# Altium PCB PCB_ovladaci_karta.PcbDoc (part 1 of 4)
Units mm, origin at the board's own origin, x right, y up, seen from the top; angles counter-clockwise.
Board outline 99.2 x 100 mm, 6 copper layers (Top Layer, Inner Layer 2(GND), Inner Layer 3, Inner Layer 4, Inner Layer 5, Bottom Layer 1), stack 1.548 mm thick; 236 components, 248 nets, 895 pads, 601 vias.
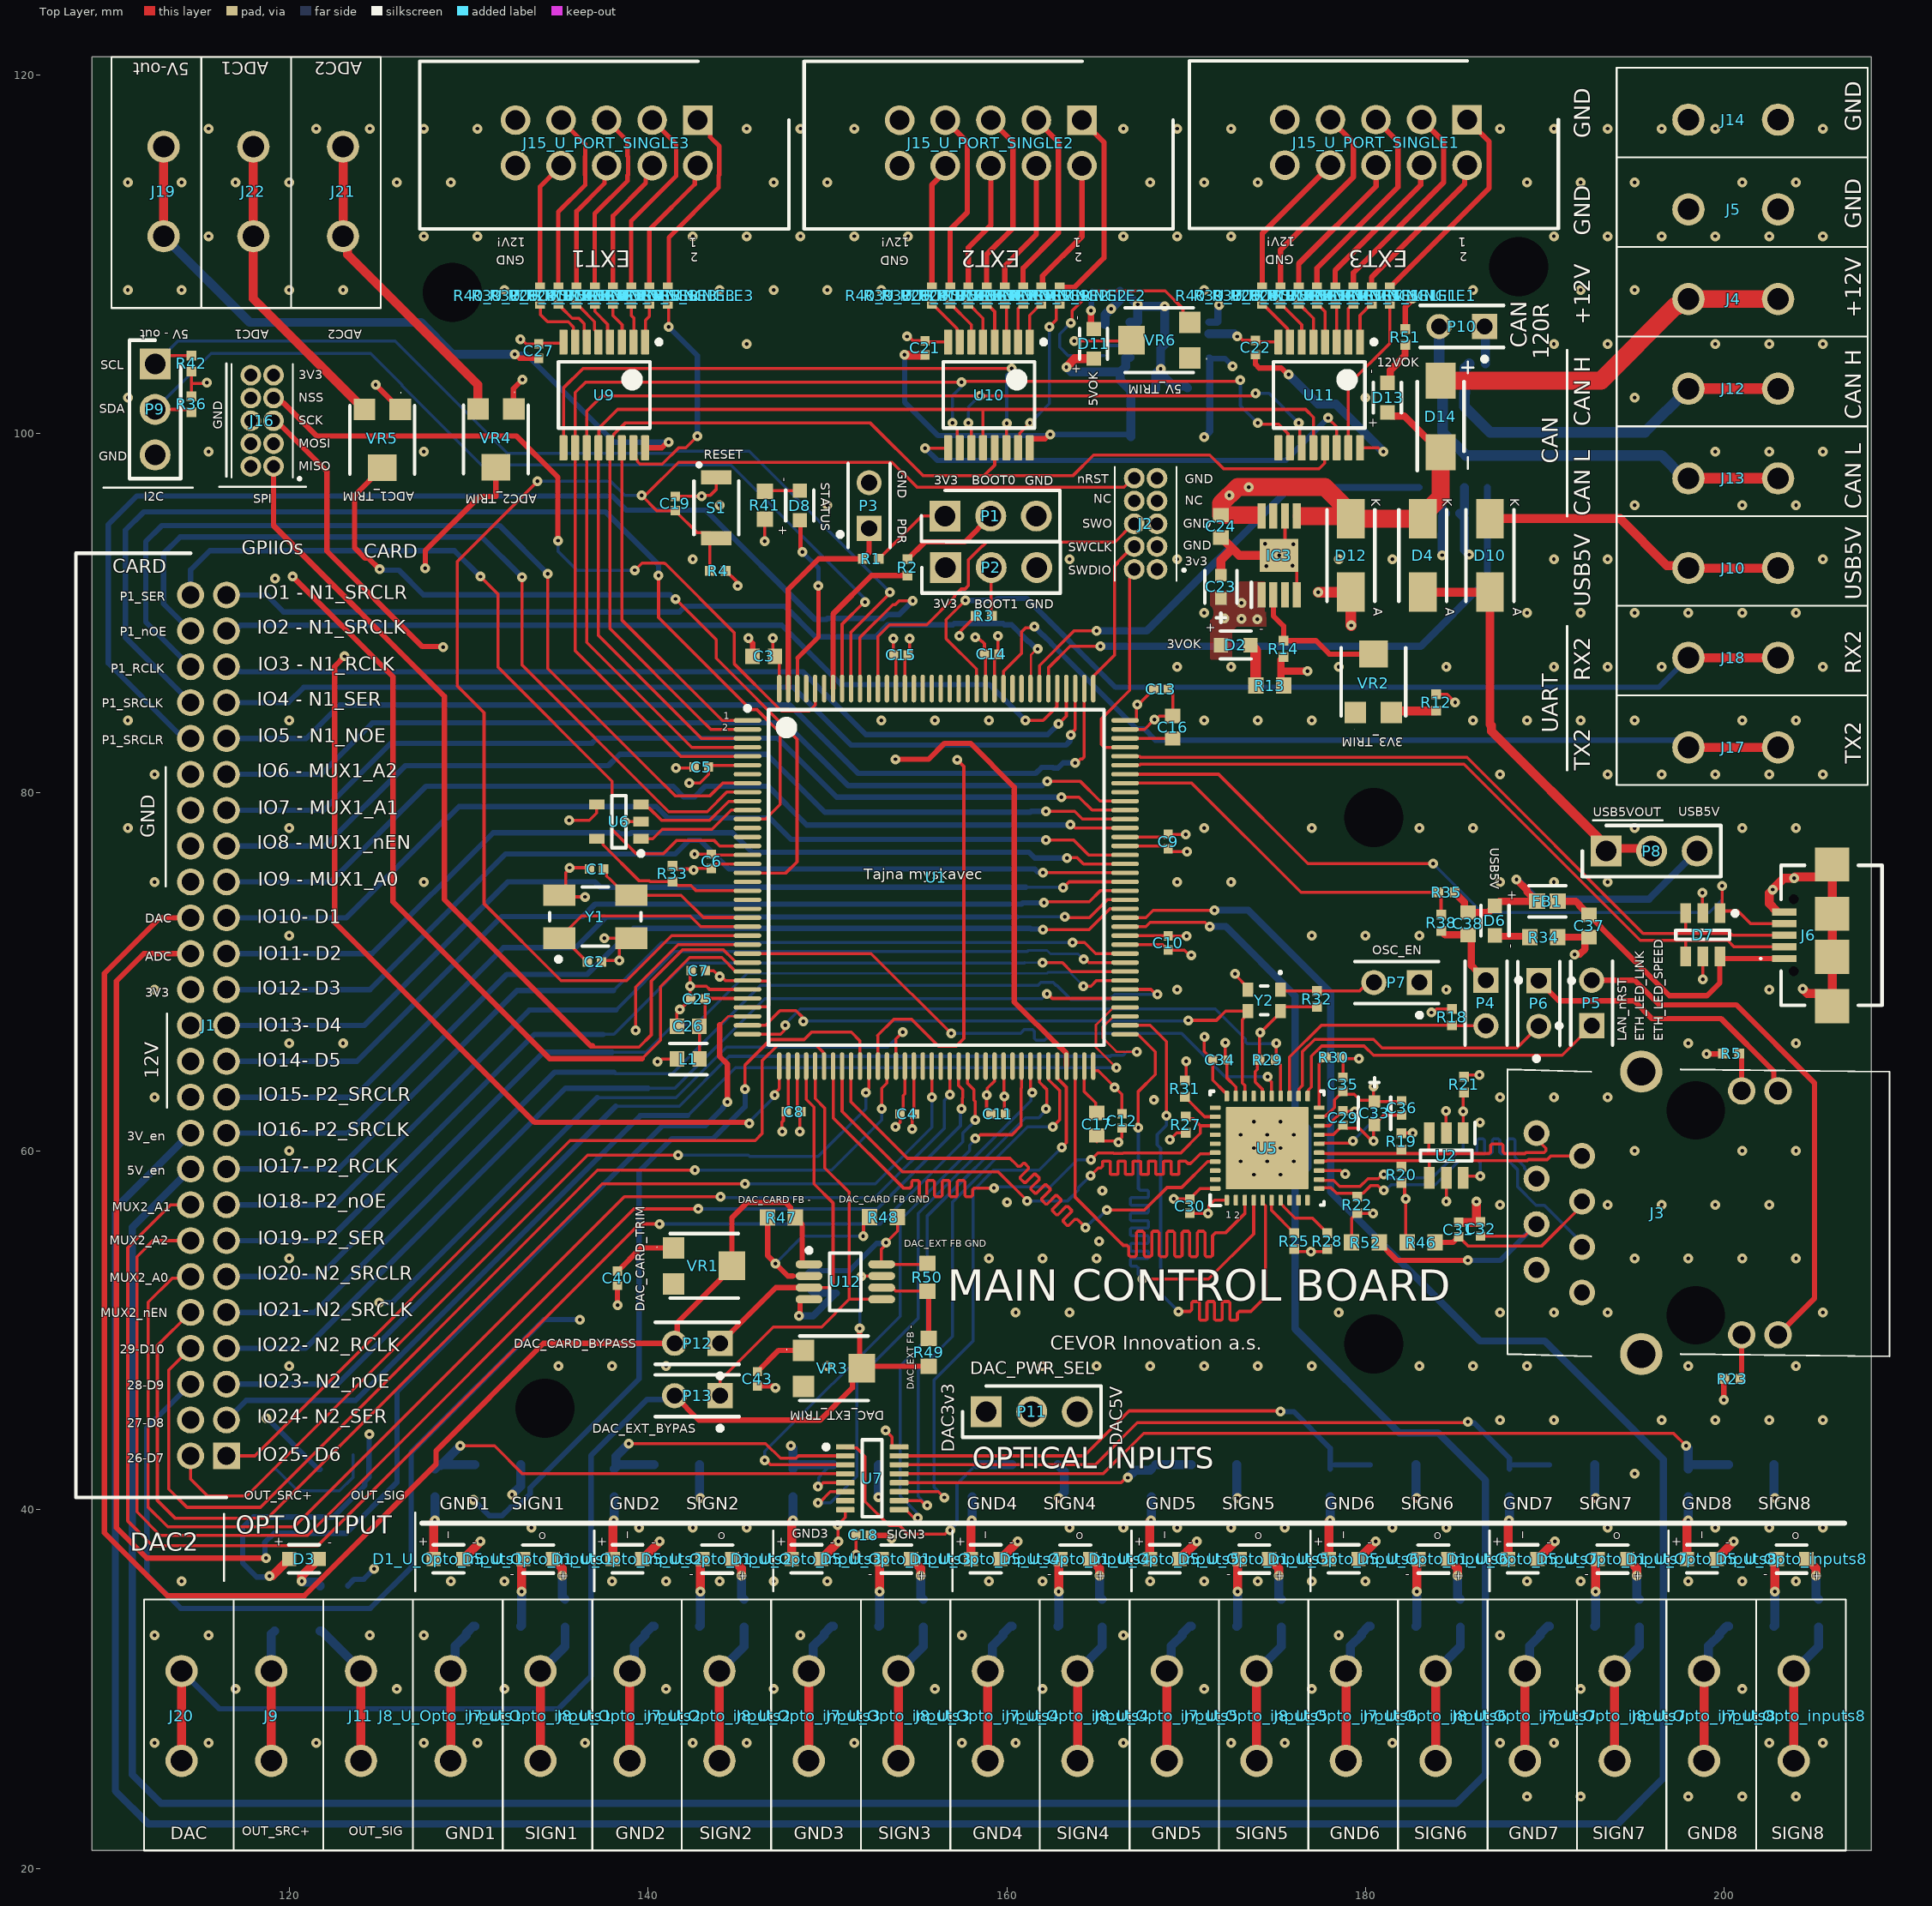
[diagram p0: Top Layer view]
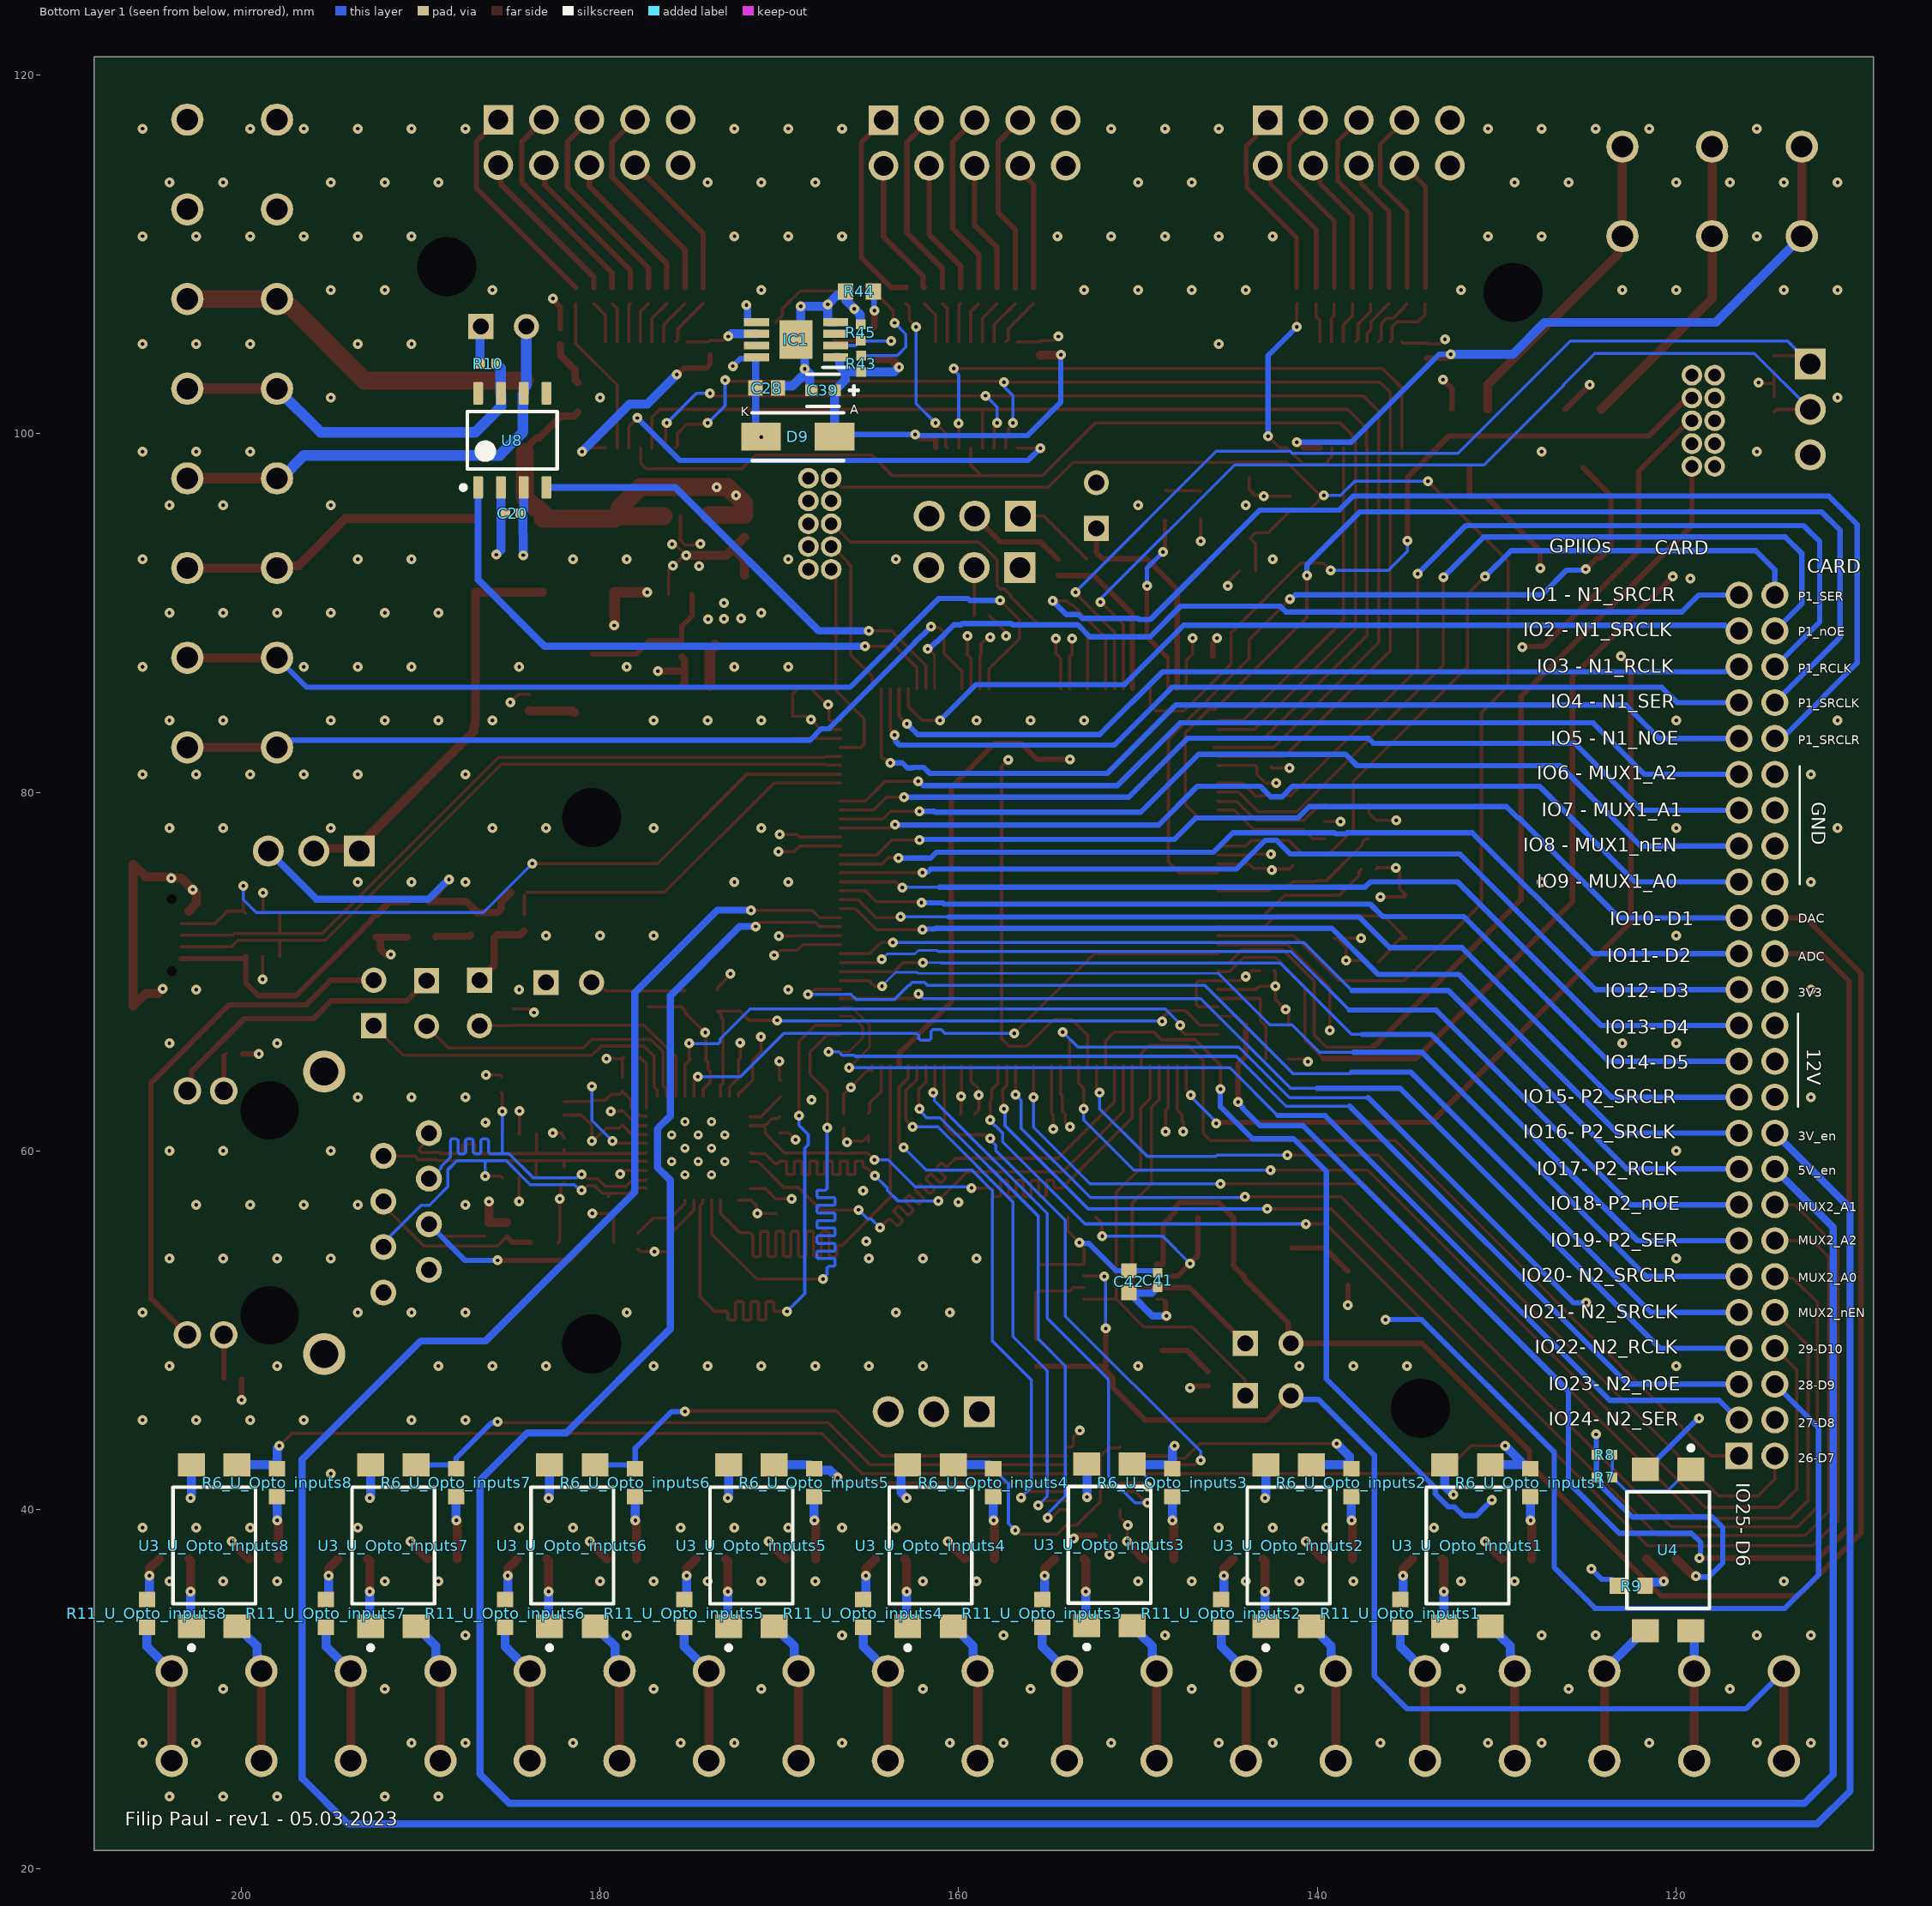
[diagram p1: Bottom Layer 1 view, seen from below]
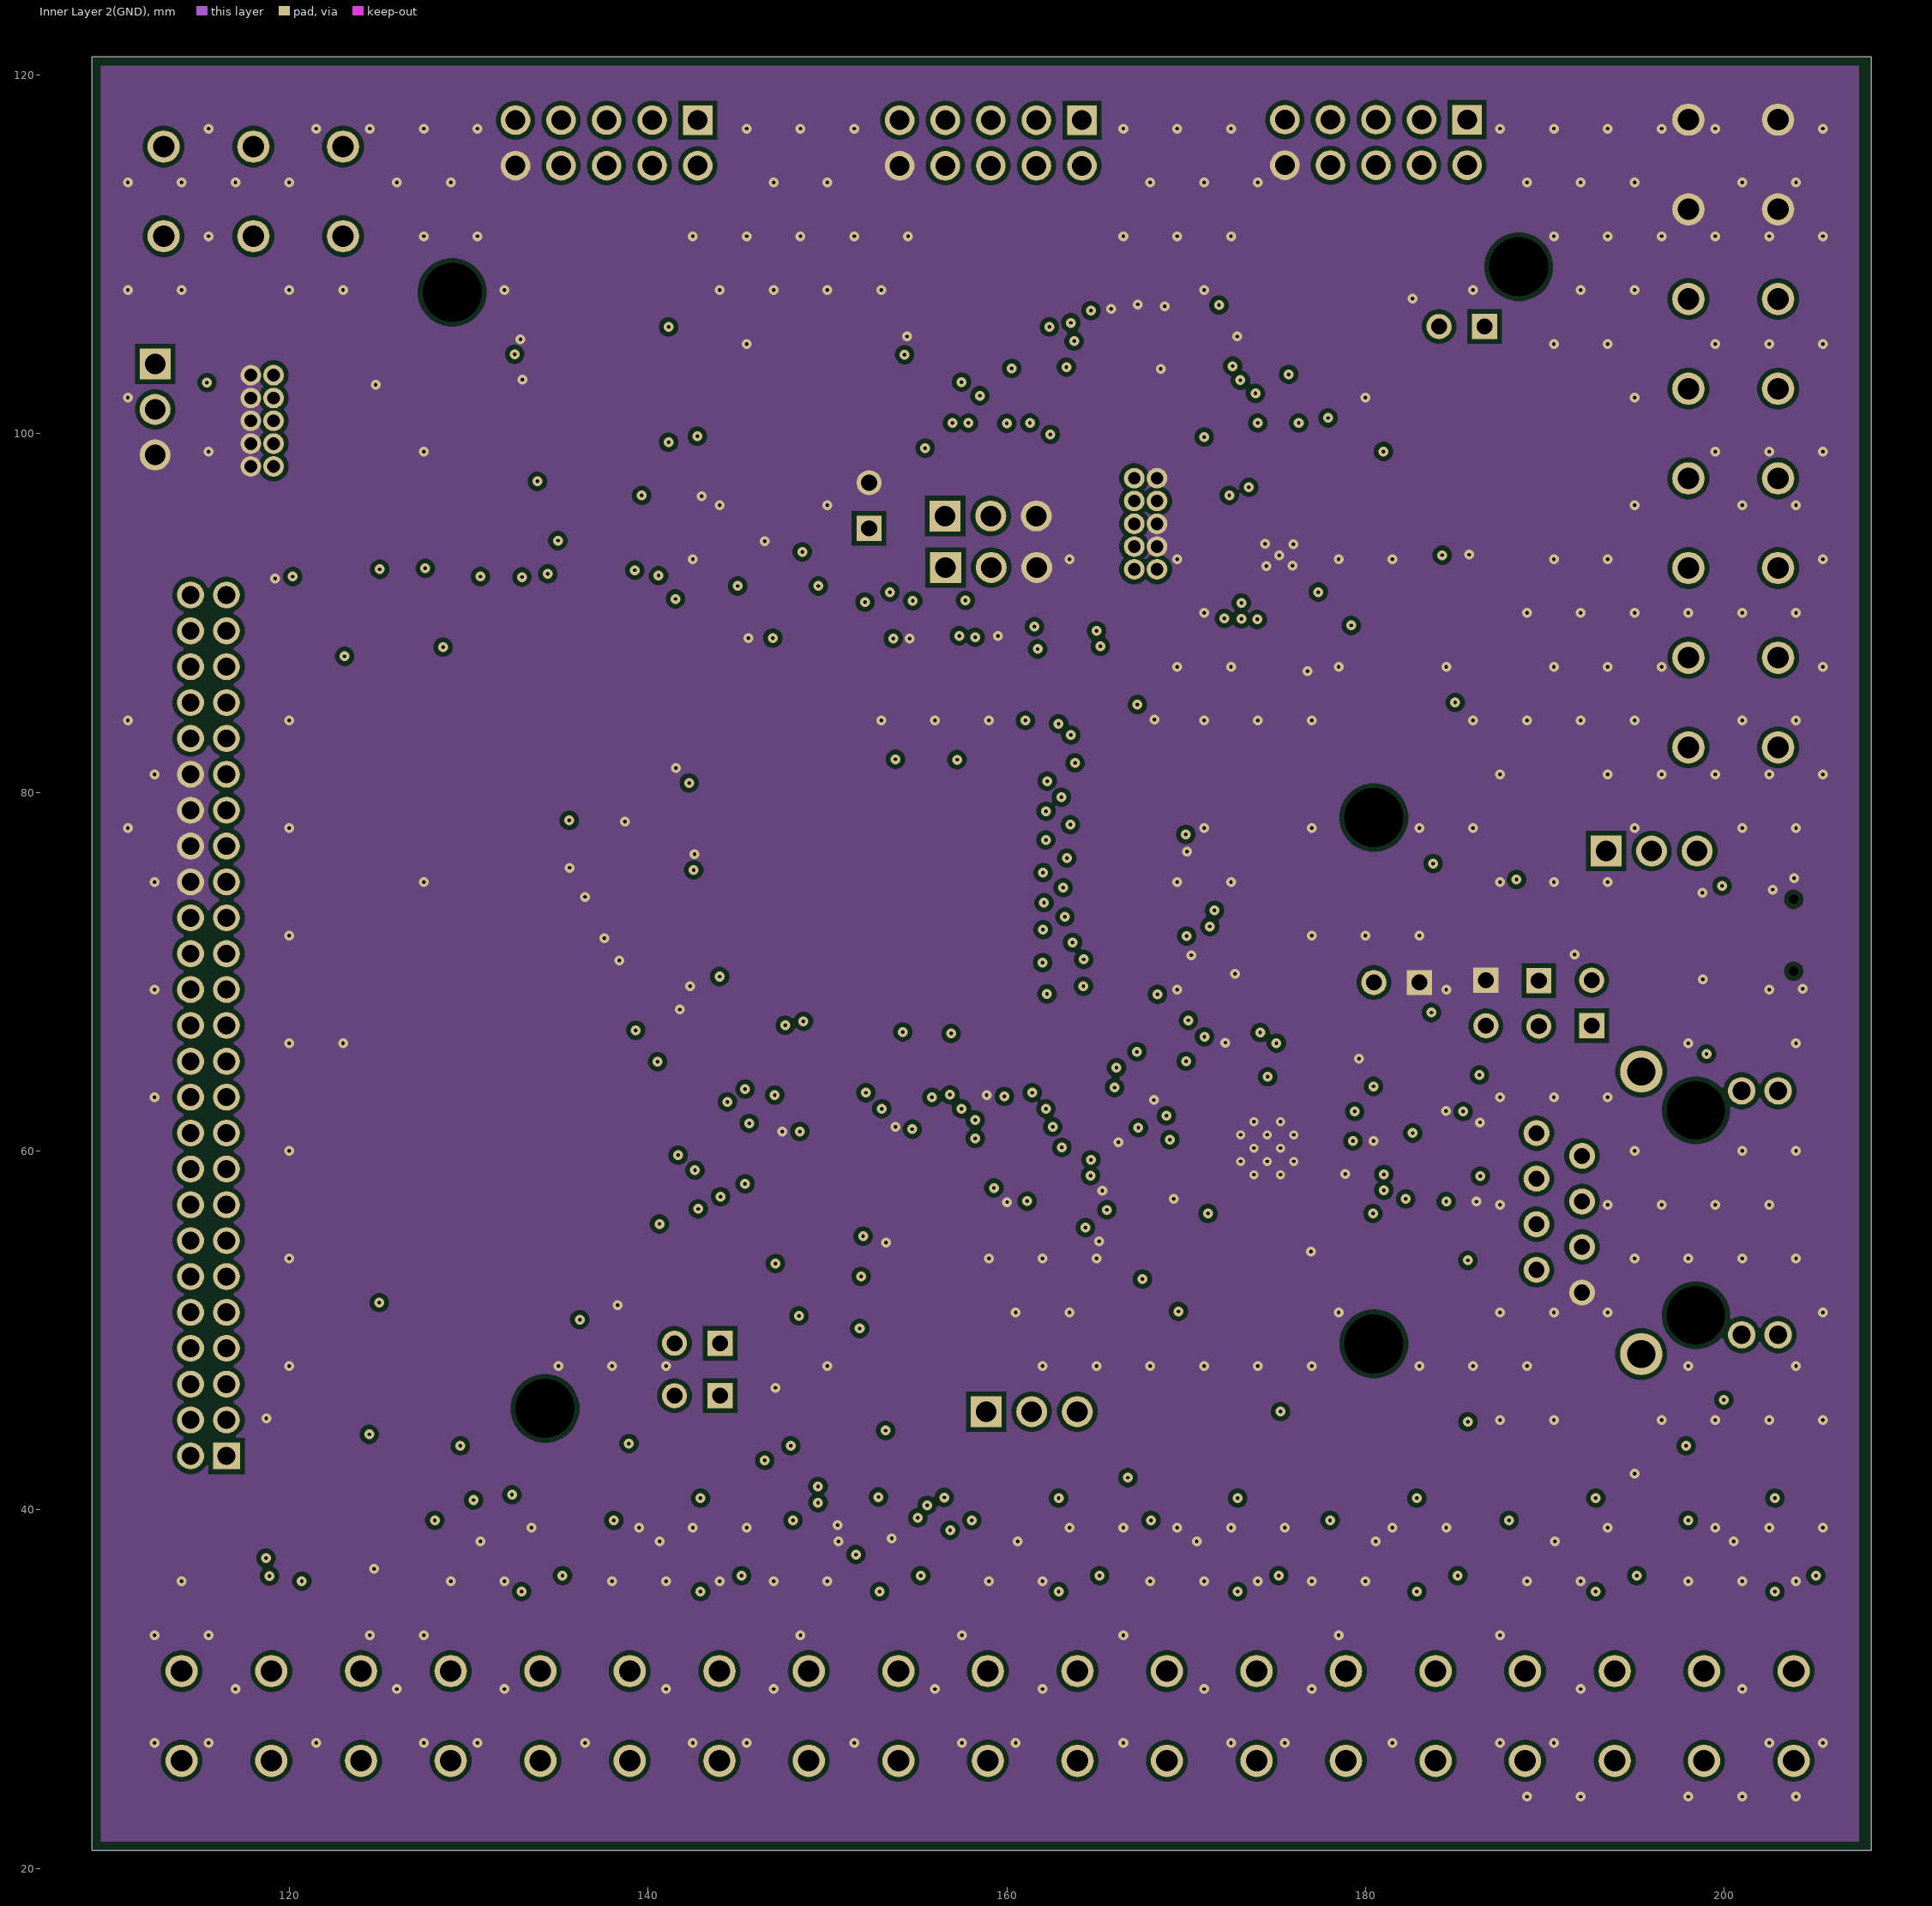
[diagram p2: Inner Layer 2(GND)]
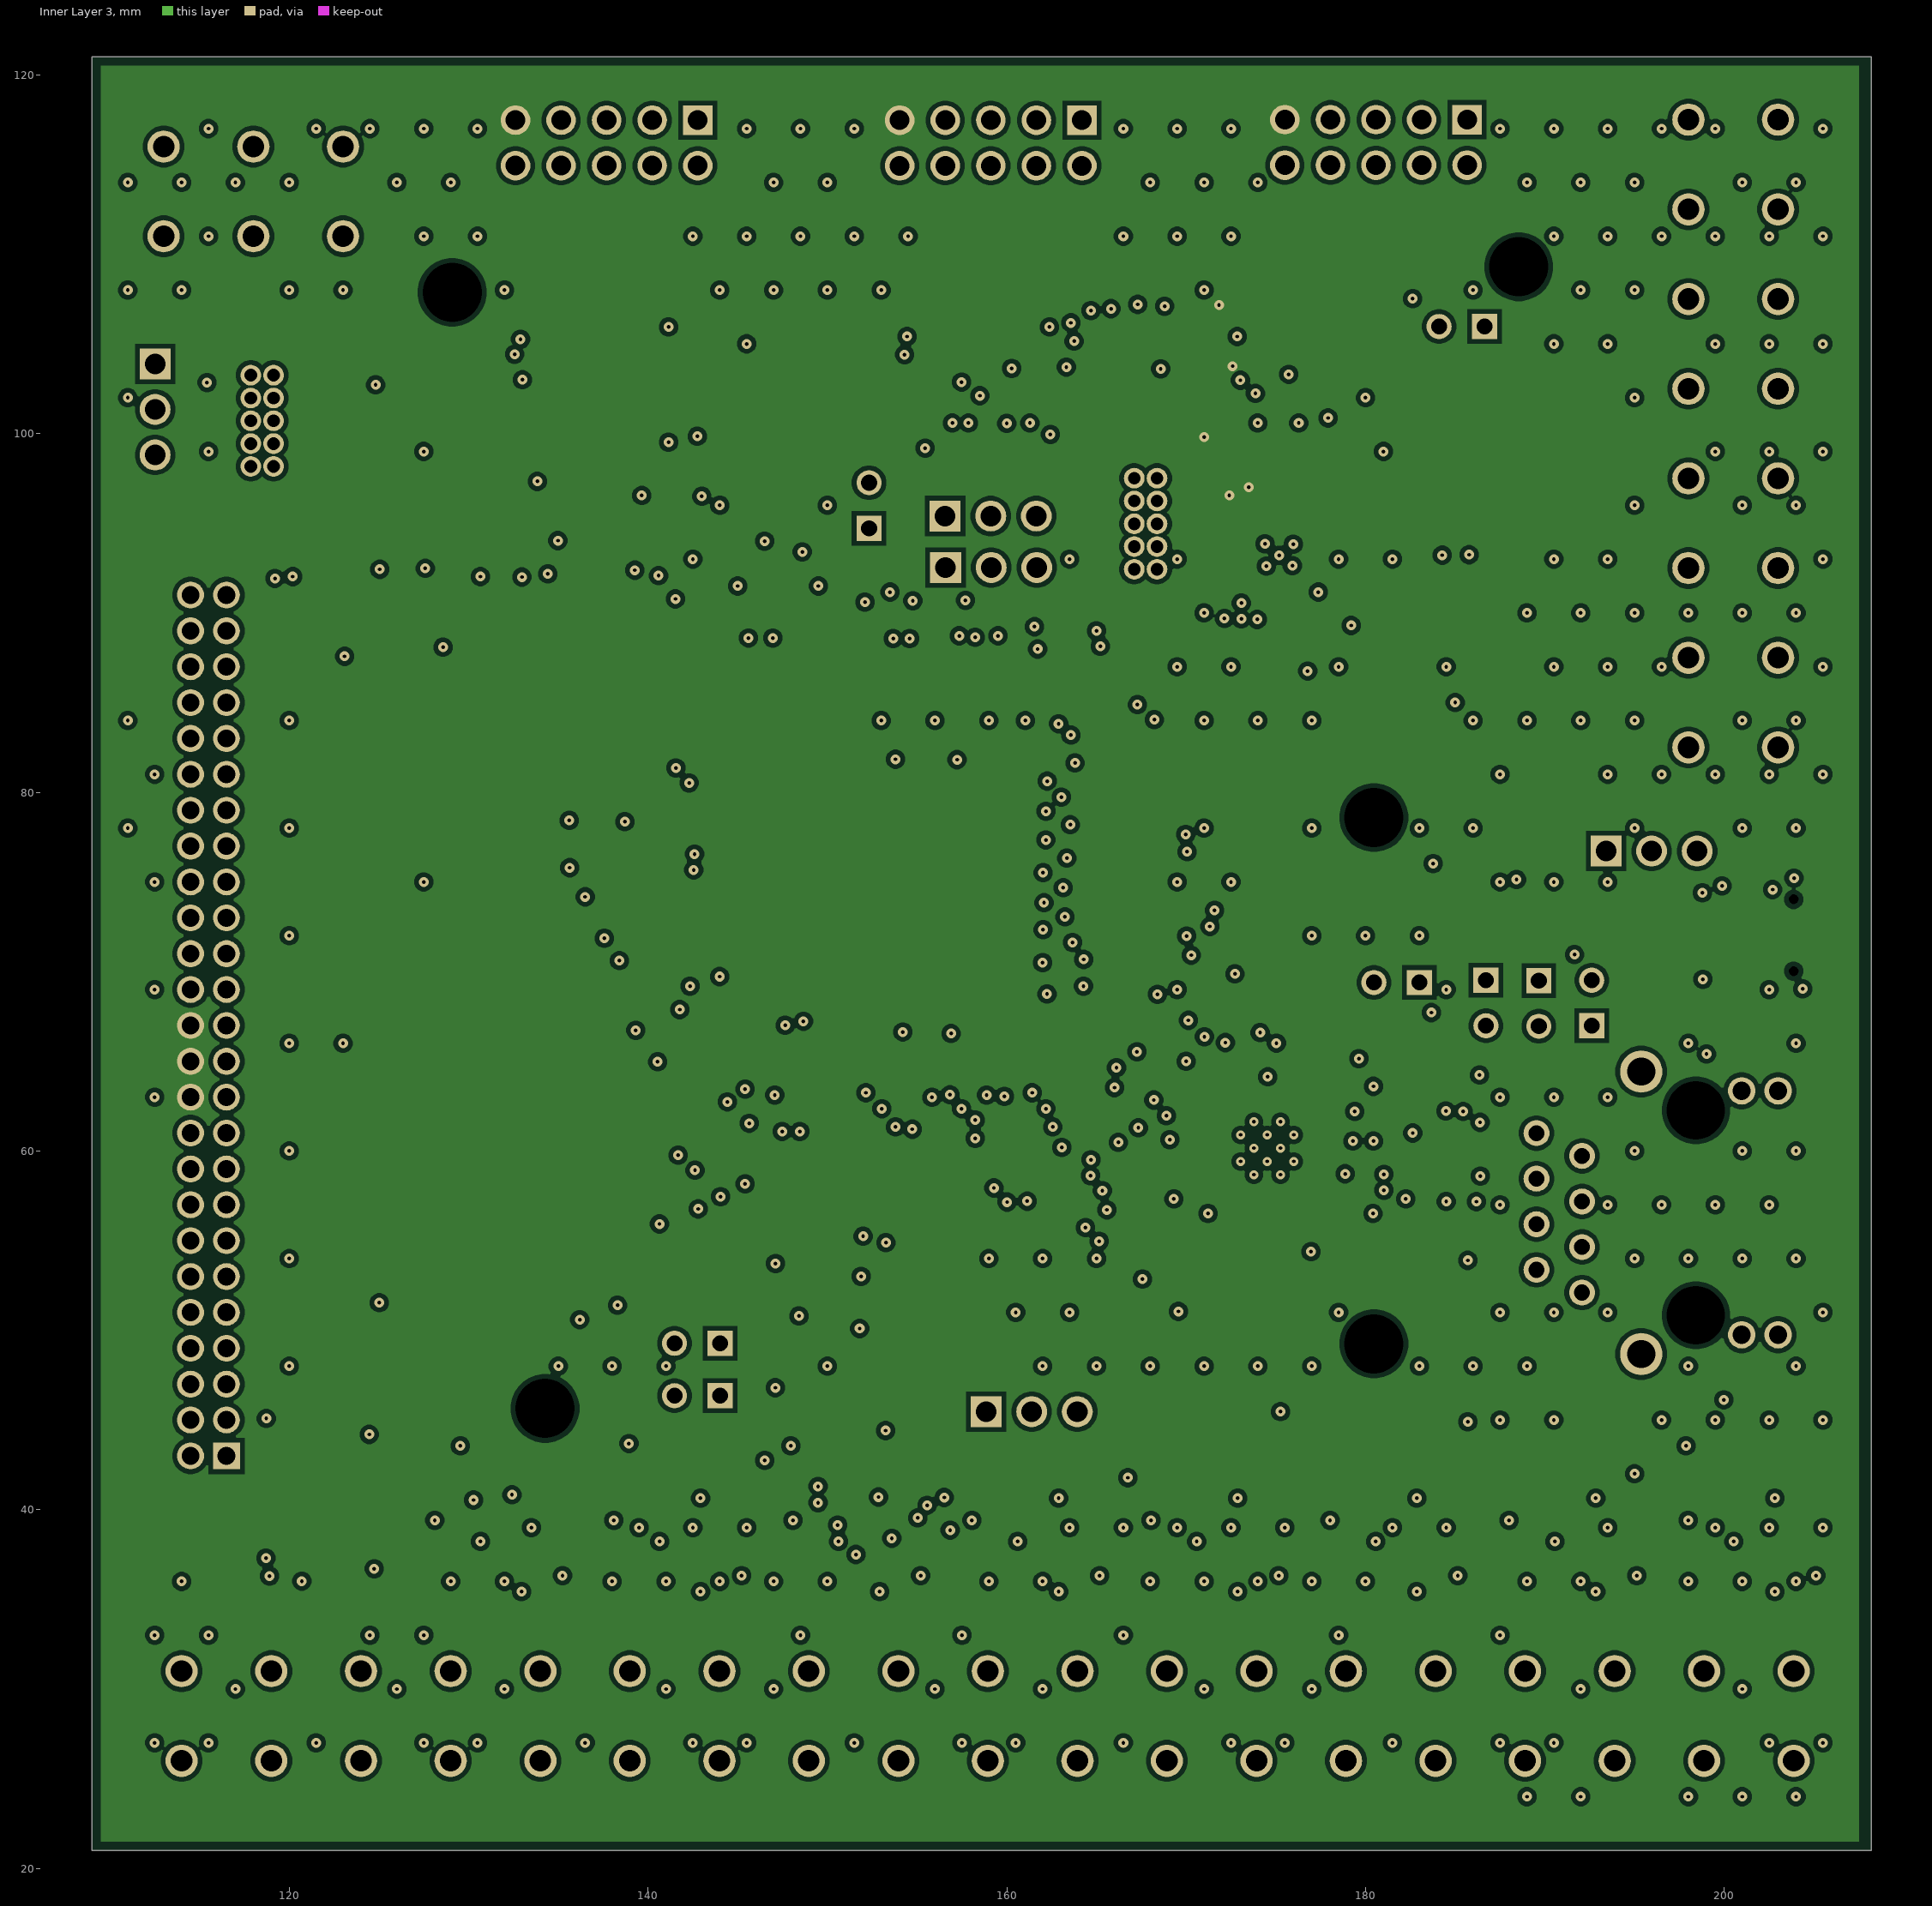
[diagram p3: Inner Layer 3]